# Altium PCB AIWAC_A33_LVDS07_20181114..PcbDoc (part 2 of 14) (continued)
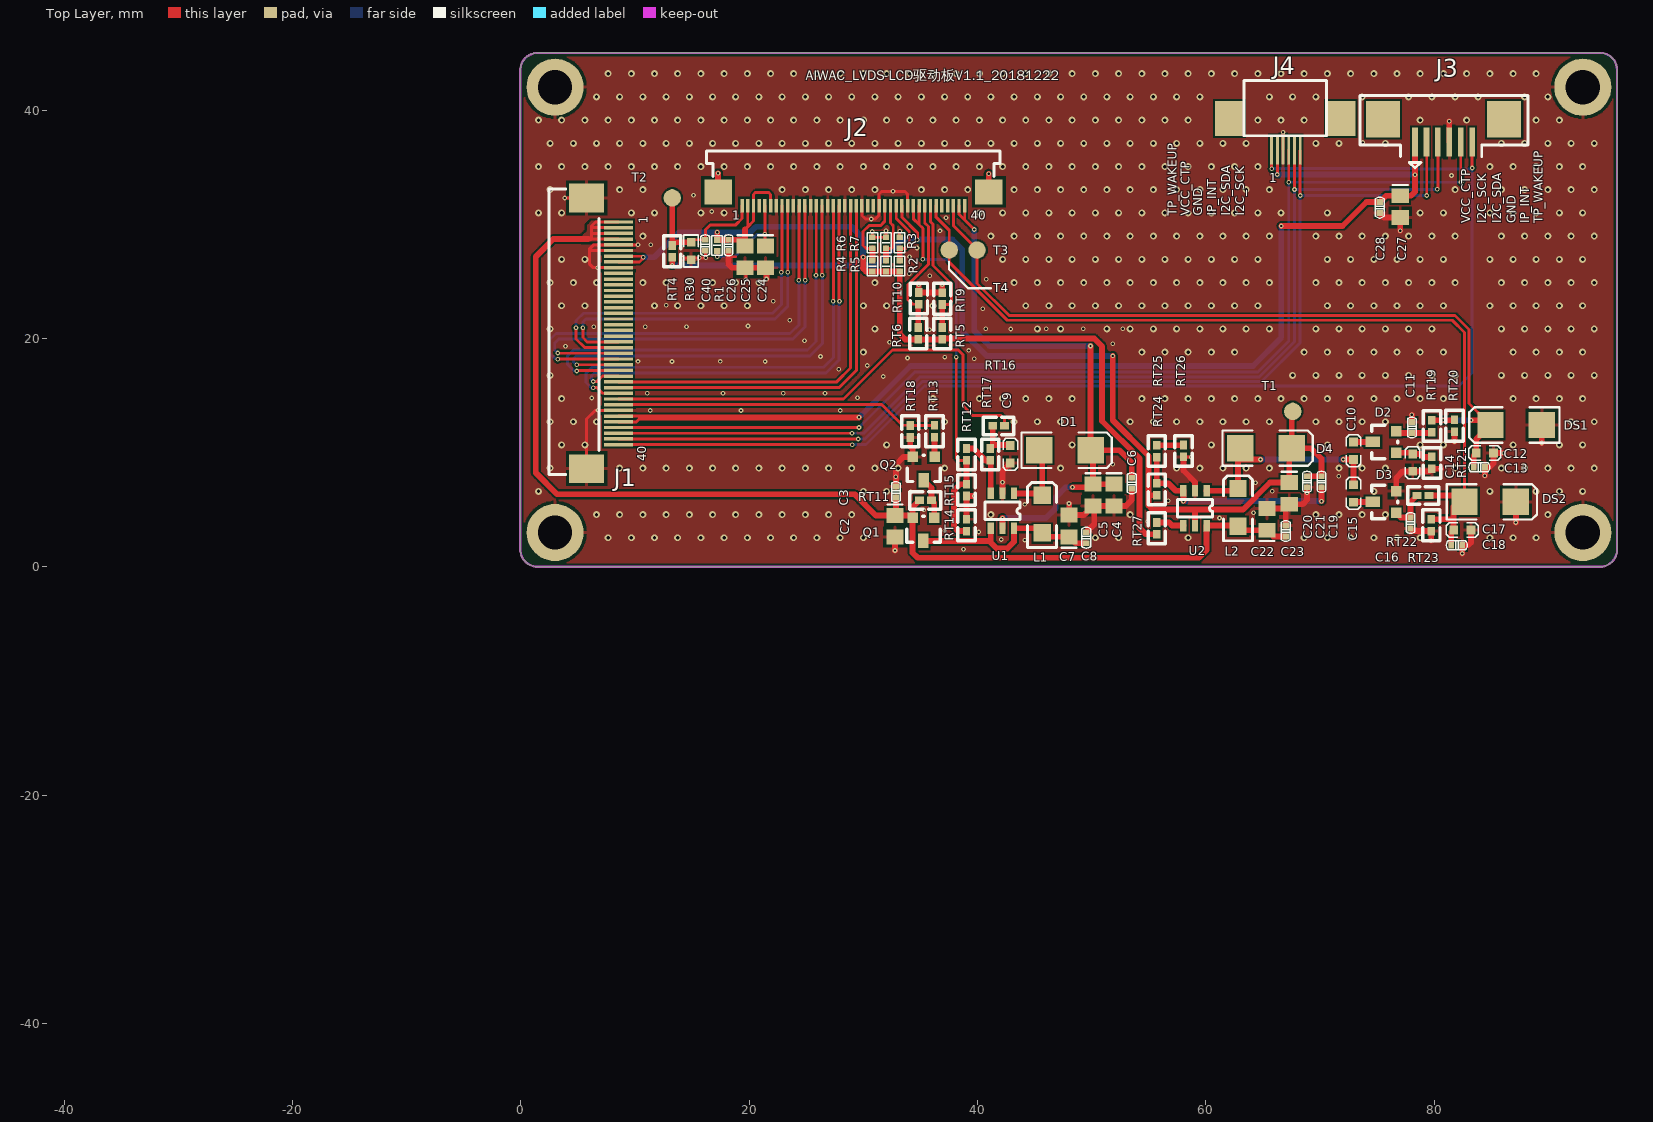
[diagram p0: Top Layer view]
## Free pads (board coordinates) (continued)
1(-39.033,-44.1) 1(-39.033,-44.1) 1(-39.033,-44.1) 1(-39.033,-44.1) 1(-39.033,-44.123) 1(-39.033,-44.123) 1(-39.033,-44.123) 1(-39.033,-44.119) 1(-39.033,-44.119) 1(-39.033,-44.119) 1(-39.033,-44.119) 1(-39.033,-44.119) 1(-39.033,-44.119) 1(-39.033,-44.118) 1(-39.033,-44.118) 1(-39.033,-44.118) 1(-39.033,-44.117) 1(-39.033,-44.117) 1(-39.033,-44.117) 1(-39.033,-44.116) 1(-39.033,-44.116) 1(-39.033,-44.116) 1(-39.033,-44.116) 1(-39.033,-44.116) 1(-39.033,-44.116) 1(-39.033,-44.136) 1(-39.033,-44.136) 1(-39.033,-44.136) 1(-39.033,-44.136) 1(-39.033,-44.136) 1(-39.033,-44.136) 1(-39.033,-44.135) 1(-39.033,-44.135) 1(-39.033,-44.135) 1(-39.033,-44.134) 1(-39.033,-44.134) 1(-39.033,-44.134) 1(-39.033,-44.133) 1(-39.033,-44.133) 1(-39.033,-44.133) 1(-39.033,-44.133) 1(-39.033,-44.133) 1(-39.033,-44.133) 1(-39.033,-44.133) 1(-39.033,-44.133) 1(-39.033,-44.133) 1(-39.033,-44.133) 1(-39.033,-44.133) 1(-39.033,-44.133) 1(-39.033,-44.132) 1(-39.033,-44.132) 1(-39.033,-44.132) 1(-39.033,-44.131) 1(-39.033,-44.131) 1(-39.033,-44.131) 1(-39.033,-44.13) 1(-39.033,-44.13) 1(-39.033,-44.13) 1(-39.033,-44.13) 1(-39.033,-44.13) 1(-39.033,-44.13) 1(-39.033,-44.13) 1(-39.033,-44.13) 1(-39.033,-44.13) 1(-39.033,-44.13) 1(-39.033,-44.13) 1(-39.033,-44.13) 1(-39.033,-44.129) 1(-39.033,-44.129) 1(-39.033,-44.129) 1(-39.033,-44.128) 1(-39.033,-44.128) 1(-39.033,-44.128) 1(-39.033,-44.127) 1(-39.033,-44.127) 1(-39.033,-44.127) 1(-39.033,-44.127) 1(-39.033,-44.127) 1(-39.033,-44.127) 1(-39.033,-44.127) 1(-39.033,-44.127) 1(-39.033,-44.127) 1(-39.033,-44.127) 1(-39.033,-44.127) 1(-39.033,-44.127) 1(-39.033,-44.126) 1(-39.033,-44.126) 1(-39.033,-44.126) 1(-39.033,-44.125) 1(-39.033,-44.125) 1(-39.033,-44.125) 1(-39.033,-44.124) 1(-39.033,-44.124) 1(-39.033,-44.124) 1(-39.033,-44.124) 1(-39.033,-44.124) 1(-39.033,-44.124) 1(-39.032,-44.141) 1(-39.032,-44.141) 1(-39.032,-44.141) 1(-39.032,-44.141) 1(-39.032,-44.141) 1(-39.032,-44.141) 1(-39.032,-44.14) 1(-39.032,-44.14) 1(-39.032,-44.14) 1(-39.032,-44.139) 1(-39.032,-44.139) 1(-39.032,-44.139) 1(-39.032,-44.138) 1(-39.032,-44.138) 1(-39.032,-44.138) 1(-39.032,-44.138) 1(-39.032,-44.138) 1(-39.032,-44.138) 1(-39.032,-44.136) 1(-39.032,-44.136) 1(-39.032,-44.136) 1(-39.032,-44.136) 1(-39.032,-44.136) 1(-39.032,-44.136) 1(-39.032,-44.135) 1(-39.032,-44.135) 1(-39.032,-44.135) 1(-39.032,-44.135) 1(-39.032,-44.135) 1(-39.032,-44.135) 1(-39.032,-44.134) 1(-39.032,-44.134) 1(-39.032,-44.134) 1(-39.032,-44.134) 1(-39.032,-44.134) 1(-39.032,-44.134) 1(-39.032,-44.133) 1(-39.032,-44.133) 1(-39.032,-44.133) 1(-39.032,-44.133) 1(-39.032,-44.133) 1(-39.032,-44.133) 1(-39.032,-44.132) 1(-39.032,-44.132) 1(-39.032,-44.132) 1(-39.032,-44.131) 1(-39.032,-44.131) 1(-39.032,-44.131) 1(-39.032,-44.13) 1(-39.032,-44.13) 1(-39.032,-44.13) 1(-39.032,-44.13) 1(-39.032,-44.13) 1(-39.032,-44.13) 1(-39.032,-44.13) 1(-39.032,-44.13) 1(-39.032,-44.13) 1(-39.032,-44.13) 1(-39.032,-44.13) 1(-39.032,-44.13) 1(-39.032,-44.129) 1(-39.032,-44.129) 1(-39.032,-44.129) 1(-39.032,-44.128) 1(-39.032,-44.128) 1(-39.032,-44.128) 1(-39.032,-44.127) 1(-39.032,-44.127) 1(-39.032,-44.127) 1(-39.032,-44.127) 1(-39.032,-44.127) 1(-39.032,-44.127) 1(-39.032,-44.127) 1(-39.032,-44.127) 1(-39.032,-44.127) 1(-39.032,-44.127) 1(-39.032,-44.127) 1(-39.032,-44.127) 1(-39.032,-44.126) 1(-39.032,-44.126) 1(-39.032,-44.126) 1(-39.032,-44.125) 1(-39.032,-44.125) 1(-39.032,-44.125) 1(-39.032,-44.124) 1(-39.032,-44.124) 1(-39.032,-44.124) 1(-39.032,-44.124) 1(-39.032,-44.124) 1(-39.032,-44.124) 1(-39.032,-44.141) 1(-39.032,-44.141) 1(-39.032,-44.141) 1(-39.032,-44.141) 1(-39.032,-44.141) 1(-39.032,-44.141) 1(-39.032,-44.14) 1(-39.032,-44.14) 1(-39.032,-44.14) 1(-39.032,-44.139) 1(-39.032,-44.139) 1(-39.032,-44.139) 1(-39.032,-44.138) 1(-39.032,-44.138) 1(-39.032,-44.138) 1(-39.032,-44.138) 1(-39.032,-44.138) 1(-39.032,-44.138) 1(-39.032,-44.121) 1(-39.032,-44.121) 1(-39.032,-44.121) 1(-39.032,-44.121) 1(-39.032,-44.121) 1(-39.032,-44.121) 1(-39.032,-44.102) 1(-39.032,-44.102) 1(-39.032,-44.102) 1(-39.032,-44.102) 1(-39.032,-44.102) 1(-39.032,-44.102) 1(-39.032,-44.101) 1(-39.032,-44.101) 1(-39.032,-44.101) 1(-39.032,-44.101) 1(-39.032,-44.101) 1(-39.032,-44.101) 1(-39.032,-44.1) 1(-39.032,-44.1) 1(-39.032,-44.1) 1(-39.032,-44.1) 1(-39.032,-44.1) 1(-39.032,-44.1) 1(-39.032,-44.119) 1(-39.032,-44.119) 1(-39.032,-44.119) 1(-39.032,-44.119) 1(-39.032,-44.119) 1(-39.032,-44.119) 1(-39.032,-44.118) 1(-39.032,-44.118) 1(-39.032,-44.118) 1(-39.032,-44.117) 1(-39.032,-44.117) 1(-39.032,-44.117) 1(-39.032,-44.116) 1(-39.032,-44.116) 1(-39.032,-44.116) 1(-39.032,-44.116) 1(-39.032,-44.116) 1(-39.032,-44.116) 1(-39.031,-44.136) 1(-39.031,-44.136) 1(-39.031,-44.136) 1(-39.031,-44.136) 1(-39.031,-44.136) 1(-39.031,-44.136) 1(-39.031,-44.135) 1(-39.031,-44.135) 1(-39.031,-44.135) 1(-39.031,-44.135) 1(-39.031,-44.135) 1(-39.031,-44.135) 1(-39.031,-44.134) 1(-39.031,-44.134) 1(-39.031,-44.134) 1(-39.031,-44.134) 1(-39.031,-44.134) 1(-39.031,-44.134) 1(-39.031,-44.133) 1(-39.031,-44.133) 1(-39.031,-44.133) 1(-39.031,-44.133) 1(-39.031,-44.133) 1(-39.031,-44.133) 1(-39.031,-44.132) 1(-39.031,-44.132) 1(-39.031,-44.132) 1(-39.031,-44.131) 1(-39.031,-44.131) 1(-39.031,-44.131) 1(-39.031,-44.13) 1(-39.031,-44.13) 1(-39.031,-44.13) 1(-39.031,-44.13) 1(-39.031,-44.13) 1(-39.031,-44.13) 1(-39.031,-44.13) 1(-39.031,-44.13) 1(-39.031,-44.13) 1(-39.031,-44.13) 1(-39.031,-44.13) 1(-39.031,-44.13) 1(-39.031,-44.129) 1(-39.031,-44.129) 1(-39.031,-44.129) 1(-39.031,-44.128) 1(-39.031,-44.128) 1(-39.031,-44.128) 1(-39.031,-44.127) 1(-39.031,-44.127) 1(-39.031,-44.127) 1(-39.031,-44.127) 1(-39.031,-44.127) 1(-39.031,-44.127) 1(-39.031,-44.127) 1(-39.031,-44.127) 1(-39.031,-44.127) 1(-39.031,-44.127) 1(-39.031,-44.127) 1(-39.031,-44.127) 1(-39.031,-44.126) 1(-39.031,-44.126) 1(-39.031,-44.126) 1(-39.031,-44.125) 1(-39.031,-44.125) 1(-39.031,-44.125) 1(-39.031,-44.124) 1(-39.031,-44.124) 1(-39.031,-44.124) 1(-39.031,-44.124) 1(-39.031,-44.124) 1(-39.031,-44.124) 1(-39.031,-44.136) 1(-39.031,-44.136) 1(-39.031,-44.136) 1(-39.031,-44.136) 1(-39.031,-44.136) 1(-39.031,-44.136) 1(-39.031,-44.135) 1(-39.031,-44.135) 1(-39.031,-44.135) 1(-39.031,-44.135) 1(-39.031,-44.135) 1(-39.031,-44.135) 1(-39.031,-44.134) 1(-39.031,-44.134) 1(-39.031,-44.134) 1(-39.031,-44.134) 1(-39.031,-44.134) 1(-39.031,-44.134) 1(-39.031,-44.141) 1(-39.031,-44.141) 1(-39.031,-44.141) 1(-39.031,-44.141) 1(-39.031,-44.141) 1(-39.031,-44.141) 1(-39.031,-44.14) 1(-39.031,-44.14) 1(-39.031,-44.14) 1(-39.031,-44.139) 1(-39.031,-44.139) 1(-39.031,-44.139) 1(-39.031,-44.138) 1(-39.031,-44.138) 1(-39.031,-44.138) 1(-39.031,-44.138) 1(-39.031,-44.138) 1(-39.031,-44.138) 1(-39.031,-44.123) 1(-39.031,-44.123) 1(-39.031,-44.123) 1(-39.031,-44.109) 1(-39.031,-44.109) 1(-39.031,-44.109) 1(-39.031,-44.109) 1(-39.031,-44.109) 1(-39.031,-44.109) 1(-39.031,-44.108) 1(-39.031,-44.108) 1(-39.031,-44.108) 1(-39.031,-44.108) 1(-39.031,-44.108) 1(-39.031,-44.108) 1(-39.03,-44.123) 1(-39.03,-44.123) 1(-39.03,-44.123) 1(-39.03,-44.123) 1(-39.03,-44.123) 1(-39.03,-44.123) 1(-39.03,-44.122) 1(-39.03,-44.122) 1(-39.03,-44.122) 1(-39.03,-44.109) 1(-39.03,-44.109) 1(-39.03,-44.109) 1(-39.03,-44.109) 1(-39.03,-44.109) 1(-39.03,-44.109) 1(-39.03,-44.109) 1(-39.03,-44.109) 1(-39.03,-44.109) 1(-39.03,-44.108) 1(-39.03,-44.108) 1(-39.03,-44.108) 1(-39.03,-44.108) 1(-39.03,-44.108) 1(-39.03,-44.108) 1(-39.03,-44.108) 1(-39.03,-44.108) 1(-39.03,-44.108) 1(-39.03,-44.122) 1(-39.03,-44.122) 1(-39.03,-44.122) 1(-39.03,-44.121) 1(-39.03,-44.121) 1(-39.03,-44.121) 1(-39.03,-44.121) 1(-39.03,-44.121) 1(-39.03,-44.121) 1(-39.03,-44.136) 1(-39.03,-44.136) 1(-39.03,-44.136) 1(-39.03,-44.136) 1(-39.03,-44.136) 1(-39.03,-44.136) 1(-39.03,-44.135) 1(-39.03,-44.135) 1(-39.03,-44.135) 1(-39.03,-44.135) 1(-39.03,-44.135) 1(-39.03,-44.135) 1(-39.03,-44.134) 1(-39.03,-44.134) 1(-39.03,-44.134) 1(-39.03,-44.134) 1(-39.03,-44.134) 1(-39.03,-44.134) 1(-39.03,-44.121) 1(-39.03,-44.121) 1(-39.03,-44.121) 1(-39.029,-44.103) 1(-39.029,-44.103) 1(-39.029,-44.103) 1(-39.029,-44.103) 1(-39.029,-44.103) 1(-39.029,-44.103) 1(-39.029,-44.102) 1(-39.029,-44.102) 1(-39.029,-44.102) 1(-39.029,-44.101) 1(-39.029,-44.101) 1(-39.029,-44.101) 1(-39.029,-44.1) 1(-39.029,-44.1) 1(-39.029,-44.1) 1(-39.029,-44.1) 1(-39.029,-44.1) 1(-39.029,-44.1) 1(-39.029,-44.123) 1(-39.029,-44.123) 1(-39.029,-44.123) 1(-39.029,-44.139) 1(-39.029,-44.139) 1(-39.029,-44.139) 1(-39.029,-44.139) 1(-39.029,-44.139) 1(-39.029,-44.139) 1(-39.029,-44.138) 1(-39.029,-44.138) 1(-39.029,-44.138) 1(-39.029,-44.138) 1(-39.029,-44.138) 1(-39.029,-44.138) 1(-39.029,-44.137) 1(-39.029,-44.137) 1(-39.029,-44.137) 1(-39.029,-44.137) 1(-39.029,-44.137) 1(-39.029,-44.137) 1(-39.029,-44.136) 1(-39.029,-44.136) 1(-39.029,-44.136) 1(-39.029,-44.136) 1(-39.029,-44.136) 1(-39.029,-44.136) 1(-39.029,-44.134) 1(-39.029,-44.134) 1(-39.029,-44.134) 1(-39.029,-44.134) 1(-39.029,-44.134) 1(-39.029,-44.134) 1(-39.029,-44.132) 1(-39.029,-44.132) 1(-39.029,-44.132) 1(-39.029,-44.132) 1(-39.029,-44.132) 1(-39.029,-44.132) 1(-39.029,-44.132) 1(-39.029,-44.132) 1(-39.029,-44.132) 1(-39.029,-44.132) 1(-39.029,-44.132) 1(-39.029,-44.132) 1(-39.029,-44.131) 1(-39.029,-44.131) 1(-39.029,-44.131) 1(-39.029,-44.131) 1(-39.029,-44.131) 1(-39.029,-44.131) 1(-39.029,-44.131) 1(-39.029,-44.131) 1(-39.029,-44.131) 1(-39.029,-44.131) 1(-39.029,-44.131) 1(-39.029,-44.131) 1(-39.029,-44.13) 1(-39.029,-44.13) 1(-39.029,-44.13) 1(-39.029,-44.13) 1(-39.029,-44.13) 1(-39.029,-44.13) 1(-39.029,-44.129) 1(-39.029,-44.129) 1(-39.029,-44.129) 1(-39.029,-44.129) 1(-39.029,-44.129) 1(-39.029,-44.129) 1(-39.029,-44.128) 1(-39.029,-44.128) 1(-39.029,-44.128) 1(-39.029,-44.128) 1(-39.029,-44.128) 1(-39.029,-44.128) 1(-39.029,-44.128) 1(-39.029,-44.128) 1(-39.029,-44.128) 1(-39.029,-44.128) 1(-39.029,-44.128) 1(-39.029,-44.128) 1(-39.029,-44.127) 1(-39.029,-44.127) 1(-39.029,-44.127) 1(-39.029,-44.127) 1(-39.029,-44.127) 1(-39.029,-44.127) 1(-39.029,-44.123) 1(-39.029,-44.123) 1(-39.029,-44.123) 1(-39.028,-44.103) 1(-39.028,-44.103) 1(-39.028,-44.103) 1(-39.028,-44.103) 1(-39.028,-44.103) 1(-39.028,-44.103) 1(-39.028,-44.102) 1(-39.028,-44.102) 1(-39.028,-44.102) 1(-39.028,-44.101) 1(-39.028,-44.101) 1(-39.028,-44.101) 1(-39.028,-44.1) 1(-39.028,-44.1) 1(-39.028,-44.1) 1(-39.028,-44.1) 1(-39.028,-44.1) 1(-39.028,-44.1) 1(-39.028,-44.109) 1(-39.028,-44.109) 1(-39.028,-44.109) 1(-39.028,-44.109) 1(-39.028,-44.109) 1(-39.028,-44.109) 1(-39.028,-44.108) 1(-39.028,-44.108) 1(-39.028,-44.108) 1(-39.028,-44.108) 1(-39.028,-44.108) 1(-39.028,-44.108) 1(-39.028,-44.121) 1(-39.028,-44.121) 1(-39.028,-44.121) 1(-39.028,-44.139) 1(-39.028,-44.139) 1(-39.028,-44.139) 1(-39.028,-44.138) 1(-39.028,-44.138) 1(-39.028,-44.138) 1(-39.028,-44.137) 1(-39.028,-44.137) 1(-39.028,-44.137) 1(-39.028,-44.136) 1(-39.028,-44.136) 1(-39.028,-44.136) 1(-39.028,-44.134) 1(-39.028,-44.134) 1(-39.028,-44.134) 1(-39.028,-44.132) 1(-39.028,-44.132) 1(-39.028,-44.132) 1(-39.028,-44.132) 1(-39.028,-44.132) 1(-39.028,-44.132) 1(-39.028,-44.131) 1(-39.028,-44.131) 1(-39.028,-44.131) 1(-39.028,-44.131) 1(-39.028,-44.131) 1(-39.028,-44.131) 1(-39.028,-44.13) 1(-39.028,-44.13) 1(-39.028,-44.13) 1(-39.028,-44.129) 1(-39.028,-44.129) 1(-39.028,-44.129) 1(-39.028,-44.128) 1(-39.028,-44.128) 1(-39.028,-44.128) 1(-39.028,-44.128) 1(-39.028,-44.128) 1(-39.028,-44.128) 1(-39.028,-44.127) 1(-39.028,-44.127) 1(-39.028,-44.127) 1(-39.027,-44.122) 1(-39.027,-44.122) 1(-39.027,-44.122) 1(-39.027,-44.121) 1(-39.027,-44.121) 1(-39.027,-44.121) 1(-39.027,-44.121) 1(-39.027,-44.121) 1(-39.027,-44.121) 1(-39.027,-44.122) 1(-39.027,-44.122) 1(-39.027,-44.122) 1(-39.027,-44.121) 1(-39.027,-44.121) 1(-39.027,-44.121) 1(-39.027,-44.121) 1(-39.027,-44.121) 1(-39.027,-44.121) 1(-39.027,-44.139) 1(-39.027,-44.139) 1(-39.027,-44.139) 1(-39.027,-44.138) 1(-39.027,-44.138) 1(-39.027,-44.138) 1(-39.027,-44.137) 1(-39.027,-44.137) 1(-39.027,-44.137) 1(-39.027,-44.136) 1(-39.027,-44.136) 1(-39.027,-44.136) 1(-39.027,-44.134) 1(-39.027,-44.134) 1(-39.027,-44.134) 1(-39.027,-44.132) 1(-39.027,-44.132) 1(-39.027,-44.132) 1(-39.027,-44.132) 1(-39.027,-44.132) 1(-39.027,-44.132) 1(-39.027,-44.131) 1(-39.027,-44.131) 1(-39.027,-44.131) 1(-39.027,-44.131) 1(-39.027,-44.131) 1(-39.027,-44.131) 1(-39.027,-44.13) 1(-39.027,-44.13) 1(-39.027,-44.13) 1(-39.027,-44.129) 1(-39.027,-44.129) 1(-39.027,-44.129) 1(-39.027,-44.128) 1(-39.027,-44.128) 1(-39.027,-44.128) 1(-39.027,-44.128) 1(-39.027,-44.128) 1(-39.027,-44.128) 1(-39.027,-44.127) 1(-39.027,-44.127) 1(-39.027,-44.127) 1(-39.026,-44.109) 1(-39.026,-44.109) 1(-39.026,-44.109) 1(-39.026,-44.109) 1(-39.026,-44.109) 1(-39.026,-44.109) 1(-39.026,-44.108) 1(-39.026,-44.108) 1(-39.026,-44.108) 1(-39.026,-44.108) 1(-39.026,-44.108) 1(-39.026,-44.108) 1(-39.026,-44.121) 1(-39.026,-44.121) 1(-39.026,-44.121) 1(-39.026,-44.139) 1(-39.026,-44.139) 1(-39.026,-44.139) 1(-39.026,-44.139) 1(-39.026,-44.139) 1(-39.026,-44.139) 1(-39.026,-44.138) 1(-39.026,-44.138) 1(-39.026,-44.138) 1(-39.026,-44.138) 1(-39.026,-44.138) 1(-39.026,-44.138) 1(-39.026,-44.137) 1(-39.026,-44.137) 1(-39.026,-44.137) 1(-39.026,-44.137) 1(-39.026,-44.137) 1(-39.026,-44.137) 1(-39.026,-44.136) 1(-39.026,-44.136) 1(-39.026,-44.136) 1(-39.026,-44.136) 1(-39.026,-44.136) 1(-39.026,-44.136) 1(-39.026,-44.134) 1(-39.026,-44.134) 1(-39.026,-44.134) 1(-39.026,-44.134) 1(-39.026,-44.134) 1(-39.026,-44.134) 1(-39.026,-44.132) 1(-39.026,-44.132) 1(-39.026,-44.132) 1(-39.026,-44.132) 1(-39.026,-44.132) 1(-39.026,-44.132) 1(-39.026,-44.132) 1(-39.026,-44.132) 1(-39.026,-44.132) 1(-39.026,-44.132) 1(-39.026,-44.132) 1(-39.026,-44.132) 1(-39.026,-44.131) 1(-39.026,-44.131) 1(-39.026,-44.131) 1(-39.026,-44.131) 1(-39.026,-44.131) 1(-39.026,-44.131) 1(-39.026,-44.131) 1(-39.026,-44.131) 1(-39.026,-44.131) 1(-39.026,-44.131) 1(-39.026,-44.131) 1(-39.026,-44.131) 1(-39.026,-44.13) 1(-39.026,-44.13) 1(-39.026,-44.13) 1(-39.026,-44.13) 1(-39.026,-44.13) 1(-39.026,-44.13) 1(-39.026,-44.129) 1(-39.026,-44.129) 1(-39.026,-44.129) 1(-39.026,-44.129) 1(-39.026,-44.129) 1(-39.026,-44.129) 1(-39.026,-44.128) 1(-39.026,-44.128) 1(-39.026,-44.128) 1(-39.026,-44.128) 1(-39.026,-44.128) 1(-39.026,-44.128) 1(-39.026,-44.128) 1(-39.026,-44.128) 1(-39.026,-44.128) 1(-39.026,-44.128) 1(-39.026,-44.128) 1(-39.026,-44.128) 1(-39.026,-44.127) 1(-39.026,-44.127) 1(-39.026,-44.127) 1(-39.026,-44.127) 1(-39.026,-44.127) 1(-39.026,-44.127) 1(-39.026,-44.142) 1(-39.026,-44.142) 1(-39.026,-44.142) 1(-39.026,-44.142) 1(-39.026,-44.142) 1(-39.026,-44.142) 1(-39.026,-44.14) 1(-39.026,-44.14) 1(-39.026,-44.14) 1(-39.026,-44.14) 1(-39.026,-44.14) 1(-39.026,-44.14) 1(-39.025,-44.123) 1(-39.025,-44.123) 1(-39.025,-44.123) 1(-39.025,-44.123) 1(-39.025,-44.123) 1(-39.025,-44.123) 1(-39.025,-44.134) 1(-39.025,-44.134) 1(-39.025,-44.134) 1(-39.025,-44.134) 1(-39.025,-44.134) 1(-39.025,-44.134) 1(-39.025,-44.133) 1(-39.025,-44.133) 1(-39.025,-44.133) 1(-39.025,-44.133) 1(-39.025,-44.133) 1(-39.025,-44.133) 1(-39.025,-44.133) 1(-39.025,-44.133) 1(-39.025,-44.133) 1(-39.025,-44.133) 1(-39.025,-44.133) 1(-39.025,-44.133) 1(-39.025,-44.131) 1(-39.025,-44.131) 1(-39.025,-44.131) 1(-39.025,-44.131) 1(-39.025,-44.131) 1(-39.025,-44.131) 1(-39.025,-44.131) 1(-39.025,-44.131) 1(-39.025,-44.131) 1(-39.025,-44.131) 1(-39.025,-44.131) 1(-39.025,-44.131) 1(-39.025,-44.13) 1(-39.025,-44.13) 1(-39.025,-44.13) 1(-39.025,-44.13) 1(-39.025,-44.13) 1(-39.025,-44.13) 1(-39.025,-44.13) 1(-39.025,-44.13) 1(-39.025,-44.13) 1(-39.025,-44.13) 1(-39.025,-44.13) 1(-39.025,-44.13) 1(-39.025,-44.128) 1(-39.025,-44.128) 1(-39.025,-44.128) 1(-39.025,-44.128) 1(-39.025,-44.128) 1(-39.025,-44.128) 1(-39.025,-44.142) 1(-39.025,-44.142) 1(-39.025,-44.142) 1(-39.025,-44.14) 1(-39.025,-44.14) 1(-39.025,-44.14) 1(-39.024,-44.121) 1(-39.024,-44.121) 1(-39.024,-44.121) 1(-39.024,-44.134) 1(-39.024,-44.134) 1(-39.024,-44.134) 1(-39.024,-44.133) 1(-39.024,-44.133) 1(-39.024,-44.133) 1(-39.024,-44.133) 1(-39.024,-44.133) 1(-39.024,-44.133) 1(-39.024,-44.131) 1(-39.024,-44.131) 1(-39.024,-44.131) 1(-39.024,-44.131) 1(-39.024,-44.131) 1(-39.024,-44.131) 1(-39.024,-44.13) 1(-39.024,-44.13) 1(-39.024,-44.13) 1(-39.024,-44.13) 1(-39.024,-44.13) 1(-39.024,-44.13) 1(-39.024,-44.128) 1(-39.024,-44.128) 1(-39.024,-44.128) 1(-39.024,-44.109) 1(-39.024,-44.109) 1(-39.024,-44.109) 1(-39.024,-44.109) 1(-39.024,-44.109) 1(-39.024,-44.109) 1(-39.024,-44.109) 1(-39.024,-44.109) 1(-39.024,-44.109) 1(-39.024,-44.108) 1(-39.024,-44.108) 1(-39.024,-44.108) 1(-39.024,-44.108) 1(-39.024,-44.108) 1(-39.024,-44.108) 1(-39.024,-44.108) 1(-39.024,-44.108) 1(-39.024,-44.108) 1(-39.024,-44.122) 1(-39.024,-44.122) 1(-39.024,-44.122) 1(-39.024,-44.121) 1(-39.024,-44.121) 1(-39.024,-44.121) 1(-39.024,-44.121) 1(-39.024,-44.121) 1(-39.024,-44.121) 1(-39.024,-44.142) 1(-39.024,-44.142) 1(-39.024,-44.142) 1(-39.024,-44.14) 1(-39.024,-44.14) 1(-39.024,-44.14) 1(-39.024,-44.109) 1(-39.024,-44.109) 1(-39.024,-44.109) 1(-39.024,-44.109) 1(-39.024,-44.109) 1(-39.024,-44.109) 1(-39.024,-44.108) 1(-39.024,-44.108) 1(-39.024,-44.108) 1(-39.024,-44.108) 1(-39.024,-44.108) 1(-39.024,-44.108) 1(-39.023,-44.103) 1(-39.023,-44.103) 1(-39.023,-44.103) 1(-39.023,-44.103) 1(-39.023,-44.103) 1(-39.023,-44.103) 1(-39.023,-44.102) 1(-39.023,-44.102) 1(-39.023,-44.102) 1(-39.023,-44.101) 1(-39.023,-44.101) 1(-39.023,-44.101) 1(-39.023,-44.1) 1(-39.023,-44.1) 1(-39.023,-44.1) 1(-39.023,-44.1) 1(-39.023,-44.1) 1(-39.023,-44.1) 1(-39.023,-44.134) 1(-39.023,-44.134) 1(-39.023,-44.134) 1(-39.023,-44.133) 1(-39.023,-44.133) 1(-39.023,-44.133) 1(-39.023,-44.133) 1(-39.023,-44.133) 1(-39.023,-44.133) 1(-39.023,-44.131) 1(-39.023,-44.131) 1(-39.023,-44.131) 1(-39.023,-44.131) 1(-39.023,-44.131) 1(-39.023,-44.131) 1(-39.023,-44.13) 1(-39.023,-44.13) 1(-39.023,-44.13) 1(-39.023,-44.13) 1(-39.023,-44.13) 1(-39.023,-44.13) 1(-39.023,-44.128) 1(-39.023,-44.128) 1(-39.023,-44.128) 1(-39.023,-44.142) 1(-39.023,-44.142) 1(-39.023,-44.142) 1(-39.023,-44.142) 1(-39.023,-44.142) 1(-39.023,-44.142) 1(-39.023,-44.14) 1(-39.023,-44.14) 1(-39.023,-44.14) 1(-39.023,-44.14) 1(-39.023,-44.14) 1(-39.023,-44.14) 1(-39.022,-44.134) 1(-39.022,-44.134) 1(-39.022,-44.134) 1(-39.022,-44.134) 1(-39.022,-44.134) 1(-39.022,-44.134) 1(-39.022,-44.133) 1(-39.022,-44.133) 1(-39.022,-44.133) 1(-39.022,-44.133) 1(-39.022,-44.133) 1(-39.022,-44.133) 1(-39.022,-44.133) 1(-39.022,-44.133) 1(-39.022,-44.133) 1(-39.022,-44.133) 1(-39.022,-44.133) 1(-39.022,-44.133) 1(-39.022,-44.131) 1(-39.022,-44.131) 1(-39.022,-44.131) 1(-39.022,-44.131) 1(-39.022,-44.131) 1(-39.022,-44.131) 1(-39.022,-44.131) 1(-39.022,-44.131) 1(-39.022,-44.131) 1(-39.022,-44.131) 1(-39.022,-44.131) 1(-39.022,-44.131) 1(-39.022,-44.13) 1(-39.022,-44.13) 1(-39.022,-44.13) 1(-39.022,-44.13) 1(-39.022,-44.13) 1(-39.022,-44.13) 1(-39.022,-44.13) 1(-39.022,-44.13) 1(-39.022,-44.13) 1(-39.022,-44.13) 1(-39.022,-44.13) 1(-39.022,-44.13) 1(-39.022,-44.128) 1(-39.022,-44.128) 1(-39.022,-44.128) 1(-39.022,-44.128) 1(-39.022,-44.128) 1(-39.022,-44.128) 1(-39.022,-44.103) 1(-39.022,-44.103) 1(-39.022,-44.103) 1(-39.022,-44.103) 1(-39.022,-44.103) 1(-39.022,-44.103) 1(-39.022,-44.102) 1(-39.022,-44.102) 1(-39.022,-44.102) 1(-39.022,-44.101) 1(-39.022,-44.101) 1(-39.022,-44.101) 1(-39.022,-44.1) 1(-39.022,-44.1) 1(-39.022,-44.1) 1(-39.022,-44.1) 1(-39.022,-44.1) 1(-39.022,-44.1) 1(-39.022,-44.142) 1(-39.022,-44.142) 1(-39.022,-44.142) 1(-39.022,-44.142) 1(-39.022,-44.142) 1(-39.022,-44.142) 1(-39.022,-44.14) 1(-39.022,-44.14) 1(-39.022,-44.14) 1(-39.022,-44.14) 1(-39.022,-44.14) 1(-39.022,-44.14) 1(-39.022,-44.134) 1(-39.022,-44.134) 1(-39.022,-44.134) 1(-39.022,-44.134) 1(-39.022,-44.134) 1(-39.022,-44.134) 1(-39.022,-44.133) 1(-39.022,-44.133) 1(-39.022,-44.133) 1(-39.022,-44.133) 1(-39.022,-44.133) 1(-39.022,-44.133) 1(-39.022,-44.133) 1(-39.022,-44.133) 1(-39.022,-44.133) 1(-39.022,-44.133) 1(-39.022,-44.133) 1(-39.022,-44.133) 1(-39.022,-44.131) 1(-39.022,-44.131) 1(-39.022,-44.131) 1(-39.022,-44.131) 1(-39.022,-44.131) 1(-39.022,-44.131) 1(-39.022,-44.131) 1(-39.022,-44.131) 1(-39.022,-44.131) 1(-39.022,-44.131) 1(-39.022,-44.131) 1(-39.022,-44.131) 1(-39.022,-44.13) 1(-39.022,-44.13) 1(-39.022,-44.13) 1(-39.022,-44.13) 1(-39.022,-44.13) 1(-39.022,-44.13) 1(-39.022,-44.13) 1(-39.022,-44.13) 1(-39.022,-44.13) 1(-39.022,-44.13) 1(-39.022,-44.13) 1(-39.022,-44.13) 1(-39.022,-44.128) 1(-39.022,-44.128) 1(-39.022,-44.128) 1(-39.022,-44.128) 1(-39.022,-44.128) 1(-39.022,-44.128) 1(-39.021,-44.142) 1(-39.021,-44.142) 1(-39.021,-44.142) 1(-39.021,-44.14) 1(-39.021,-44.14) 1(-39.021,-44.14) 1(-39.021,-44.134) 1(-39.021,-44.134) 1(-39.021,-44.134) 1(-39.021,-44.133) 1(-39.021,-44.133) 1(-39.021,-44.133) 1(-39.021,-44.133) 1(-39.021,-44.133) 1(-39.021,-44.133) 1(-39.021,-44.131) 1(-39.021,-44.131) 1(-39.021,-44.131) 1(-39.021,-44.131) 1(-39.021,-44.131) 1(-39.021,-44.131) 1(-39.021,-44.13) 1(-39.021,-44.13) 1(-39.021,-44.13) 1(-39.021,-44.13) 1(-39.021,-44.13) 1(-39.021,-44.13) 1(-39.021,-44.128) 1(-39.021,-44.128) 1(-39.021,-44.128) 1(-39.02,-44.142) 1(-39.02,-44.142) 1(-39.02,-44.142) 1(-39.02,-44.14) 1(-39.02,-44.14) 1(-39.02,-44.14) 1(-39.02,-44.134) 1(-39.02,-44.134) 1(-39.02,-44.134) 1(-39.02,-44.133) 1(-39.02,-44.133) 1(-39.02,-44.133) 1(-39.02,-44.133) 1(-39.02,-44.133) 1(-39.02,-44.133) 1(-39.02,-44.131) 1(-39.02,-44.131) 1(-39.02,-44.131) 1(-39.02,-44.131) 1(-39.02,-44.131) 1(-39.02,-44.131) 1(-39.02,-44.13) 1(-39.02,-44.13) 1(-39.02,-44.13) 1(-39.02,-44.13) 1(-39.02,-44.13) 1(-39.02,-44.13) 1(-39.02,-44.128) 1(-39.02,-44.128) 1(-39.02,-44.128) 1(-39.019,-44.142) 1(-39.019,-44.142) 1(-39.019,-44.142) 1(-39.019,-44.142) 1(-39.019,-44.142) 1(-39.019,-44.142) 1(-39.019,-44.14) 1(-39.019,-44.14) 1(-39.019,-44.14) 1(-39.019,-44.14) 1(-39.019,-44.14) 1(-39.019,-44.14) 1(-39.019,-44.134) 1(-39.019,-44.134) 1(-39.019,-44.134) 1(-39.019,-44.134) 1(-39.019,-44.134) 1(-39.019,-44.134) 1(-39.019,-44.133) 1(-39.019,-44.133) 1(-39.019,-44.133) 1(-39.019,-44.133) 1(-39.019,-44.133) 1(-39.019,-44.133) 1(-39.019,-44.133) 1(-39.019,-44.133) 1(-39.019,-44.133) 1(-39.019,-44.133) 1(-39.019,-44.133) 1(-39.019,-44.133) 1(-39.019,-44.131) 1(-39.019,-44.131) 1(-39.019,-44.131) 1(-39.019,-44.131) 1(-39.019,-44.131) 1(-39.019,-44.131) 1(-39.019,-44.131) 1(-39.019,-44.131) 1(-39.019,-44.131) 1(-39.019,-44.131) 1(-39.019,-44.131) 1(-39.019,-44.131) 1(-39.019,-44.13) 1(-39.019,-44.13) 1(-39.019,-44.13) 1(-39.019,-44.13) 1(-39.019,-44.13) 1(-39.019,-44.13) 1(-39.019,-44.13) 1(-39.019,-44.13) 1(-39.019,-44.13) 1(-39.019,-44.13) 1(-39.019,-44.13) 1(-39.019,-44.13) 1(-39.019,-44.128) 1(-39.019,-44.128) 1(-39.019,-44.128) 1(-39.019,-44.128) 1(-39.019,-44.128) 1(-39.019,-44.128) 1(-39.019,-44.142) 1(-39.019,-44.142) 1(-39.019,-44.142) 1(-39.019,-44.142) 1(-39.019,-44.142) 1(-39.019,-44.142) 1(-39.019,-44.14) 1(-39.019,-44.14) 1(-39.019,-44.14) 1(-39.019,-44.14) 1(-39.019,-44.14) 1(-39.019,-44.14) 1(-39.018,-44.134) 1(-39.018,-44.134) 1(-39.018,-44.134) 1(-39.018,-44.134) 1(-39.018,-44.134) 1(-39.018,-44.134) 1(-39.018,-44.133) 1(-39.018,-44.133) 1(-39.018,-44.133) 1(-39.018,-44.133) 1(-39.018,-44.133) 1(-39.018,-44.133) 1(-39.018,-44.133) 1(-39.018,-44.133) 1(-39.018,-44.133) 1(-39.018,-44.133) 1(-39.018,-44.133) 1(-39.018,-44.133) 1(-39.018,-44.131) 1(-39.018,-44.131) 1(-39.018,-44.131) 1(-39.018,-44.131) 1(-39.018,-44.131) 1(-39.018,-44.131) 1(-39.018,-44.142) 1(-39.018,-44.142) 1(-39.018,-44.142) 1(-39.018,-44.14) 1(-39.018,-44.14) 1(-39.018,-44.14) 1(-39.017,-44.134) 1(-39.017,-44.134) 1(-39.017,-44.134) 1(-39.017,-44.133) 1(-39.017,-44.133) 1(-39.017,-44.133) 1(-39.017,-44.133) 1(-39.017,-44.133) 1(-39.017,-44.133) 1(-39.017,-44.131) 1(-39.017,-44.131) 1(-39.017,-44.131) 1(-39.017,-44.145) 1(-39.017,-44.145) 1(-39.017,-44.145) 1(-39.017,-44.145) 1(-39.017,-44.145) 1(-39.017,-44.145) 1(-39.017,-44.144) 1(-39.017,-44.144) 1(-39.017,-44.144) 1(-39.017,-44.143) 1(-39.017,-44.143) 1(-39.017,-44.143) 1(-39.017,-44.142) 1(-39.017,-44.142) 1(-39.017,-44.142) 1(-39.017,-44.142) 1(-39.017,-44.142) 1(-39.017,-44.142) 1(-39.017,-44.142) 1(-39.017,-44.142) 1(-39.017,-44.142) 1(-39.017,-44.14) 1(-39.017,-44.14) 1(-39.017,-44.14) 1(-39.017,-44.134) 1(-39.017,-44.134) 1(-39.017,-44.134) 1(-39.017,-44.133) 1(-39.017,-44.133) 1(-39.017,-44.133) 1(-39.017,-44.133) 1(-39.017,-44.133) 1(-39.017,-44.133) 1(-39.017,-44.131) 1(-39.017,-44.131) 1(-39.017,-44.131) 1(-39.016,-44.142) 1(-39.016,-44.142) 1(-39.016,-44.142) 1(-39.016,-44.142) 1(-39.016,-44.142) 1(-39.016,-44.142) 1(-39.016,-44.14) 1(-39.016,-44.14) 1(-39.016,-44.14) 1(-39.016,-44.14) 1(-39.016,-44.14) 1(-39.016,-44.14) 1(-39.016,-44.145) 1(-39.016,-44.145) 1(-39.016,-44.145) 1(-39.016,-44.145) 1(-39.016,-44.145) 1(-39.016,-44.145) 1(-39.016,-44.144) 1(-39.016,-44.144) 1(-39.016,-44.144) 1(-39.016,-44.143) 1(-39.016,-44.143) 1(-39.016,-44.143) 1(-39.016,-44.142) 1(-39.016,-44.142) 1(-39.016,-44.142) 1(-39.016,-44.142) 1(-39.016,-44.142) 1(-39.016,-44.142) 1(-39.016,-44.111) 1(-39.016,-44.111) 1(-39.016,-44.111) 1(-39.016,-44.11) 1(-39.016,-44.11) 1(-39.016,-44.11) 1(-39.016,-44.138) 1(-39.016,-44.138) 1(-39.016,-44.138) 1(-39.016,-44.138) 1(-39.016,-44.138) 1(-39.016,-44.138) 1(-39.016,-44.137) 1(-39.016,-44.137) 1(-39.016,-44.137) 1(-39.016,-44.137) 1(-39.016,-44.137) 1(-39.016,-44.137) 1(-39.016,-44.145) 1(-39.016,-44.145) 1(-39.016,-44.145) 1(-39.016,-44.145) 1(-39.016,-44.145) 1(-39.016,-44.145) 1(-39.016,-44.144) 1(-39.016,-44.144) 1(-39.016,-44.144) 1(-39.016,-44.143) 1(-39.016,-44.143) 1(-39.016,-44.143) 1(-39.016,-44.142) 1(-39.016,-44.142) 1(-39.016,-44.142) 1(-39.016,-44.142) 1(-39.016,-44.142) 1(-39.016,-44.142) 1(-39.016,-44.142) 1(-39.016,-44.142) 1(-39.016,-44.142) 1(-39.016,-44.142) 1(-39.016,-44.142) 1(-39.016,-44.142) 1(-39.016,-44.14) 1(-39.016,-44.14) 1(-39.016,-44.14) 1(-39.016,-44.14) 1(-39.016,-44.14) 1(-39.016,-44.14) 1(-39.016,-44.134) 1(-39.016,-44.134) 1(-39.016,-44.134) 1(-39.016,-44.134) 1(-39.016,-44.134) 1(-39.016,-44.134) 1(-39.016,-44.133) 1(-39.016,-44.133) 1(-39.016,-44.133) 1(-39.016,-44.133) 1(-39.016,-44.133) 1(-39.016,-44.133) 1(-39.016,-44.133) 1(-39.016,-44.133) 1(-39.016,-44.133) 1(-39.016,-44.133) 1(-39.016,-44.133) 1(-39.016,-44.133) 1(-39.016,-44.131) 1(-39.016,-44.131) 1(-39.016,-44.131) 1(-39.016,-44.131) 1(-39.016,-44.131) 1(-39.016,-44.131) 1(-39.015,-44.134) 1(-39.015,-44.134) 1(-39.015,-44.134) 1(-39.015,-44.134) 1(-39.015,-44.134) 1(-39.015,-44.134) 1(-39.015,-44.133) 1(-39.015,-44.133) 1(-39.015,-44.133) 1(-39.015,-44.133) 1(-39.015,-44.133) 1(-39.015,-44.133) 1(-39.015,-44.133) 1(-39.015,-44.133) 1(-39.015,-44.133) 1(-39.015,-44.133) 1(-39.015,-44.133) 1(-39.015,-44.133) 1(-39.015,-44.131) 1(-39.015,-44.131) 1(-39.015,-44.131) 1(-39.015,-44.131) 1(-39.015,-44.131) 1(-39.015,-44.131) 1(-39.015,-44.138) 1(-39.015,-44.138) 1(-39.015,-44.138) 1(-39.015,-44.137) 1(-39.015,-44.137) 1(-39.015,-44.137) 1(-39.015,-44.112) 1(-39.015,-44.112) 1(-39.015,-44.112) 1(-39.015,-44.109) 1(-39.015,-44.109) 1(-39.015,-44.109) 1(-39.015,-44.142) 1(-39.015,-44.142) 1(-39.015,-44.142) 1(-39.015,-44.14) 1(-39.015,-44.14) 1(-39.015,-44.14) 1(-39.014,-44.145) 1(-39.014,-44.145) 1(-39.014,-44.145) 1(-39.014,-44.145) 1(-39.014,-44.145) 1(-39.014,-44.145) 1(-39.014,-44.144) 1(-39.014,-44.144) 1(-39.014,-44.144) 1(-39.014,-44.143) 1(-39.014,-44.143) 1(-39.014,-44.143) 1(-39.014,-44.142) 1(-39.014,-44.142) 1(-39.014,-44.142) 1(-39.014,-44.142) 1(-39.014,-44.142) 1(-39.014,-44.142) 1(-39.014,-44.134) 1(-39.014,-44.134) 1(-39.014,-44.134) 1(-39.014,-44.133) 1(-39.014,-44.133) 1(-39.014,-44.133) 1(-39.014,-44.133) 1(-39.014,-44.133) 1(-39.014,-44.133) 1(-39.014,-44.131) 1(-39.014,-44.131) 1(-39.014,-44.131) 1(-39.014,-44.138) 1(-39.014,-44.138) 1(-39.014,-44.138) 1(-39.014,-44.137) 1(-39.014,-44.137) 1(-39.014,-44.137) 1(-39.014,-44.142) 1(-39.014,-44.142) 1(-39.014,-44.142) 1(-39.014,-44.14) 1(-39.014,-44.14) 1(-39.014,-44.14) 1(-39.014,-44.134) 1(-39.014,-44.134) 1(-39.014,-44.134)